# Altium PCB relay_matrix.PcbDoc (part 1 of 9) (continued)
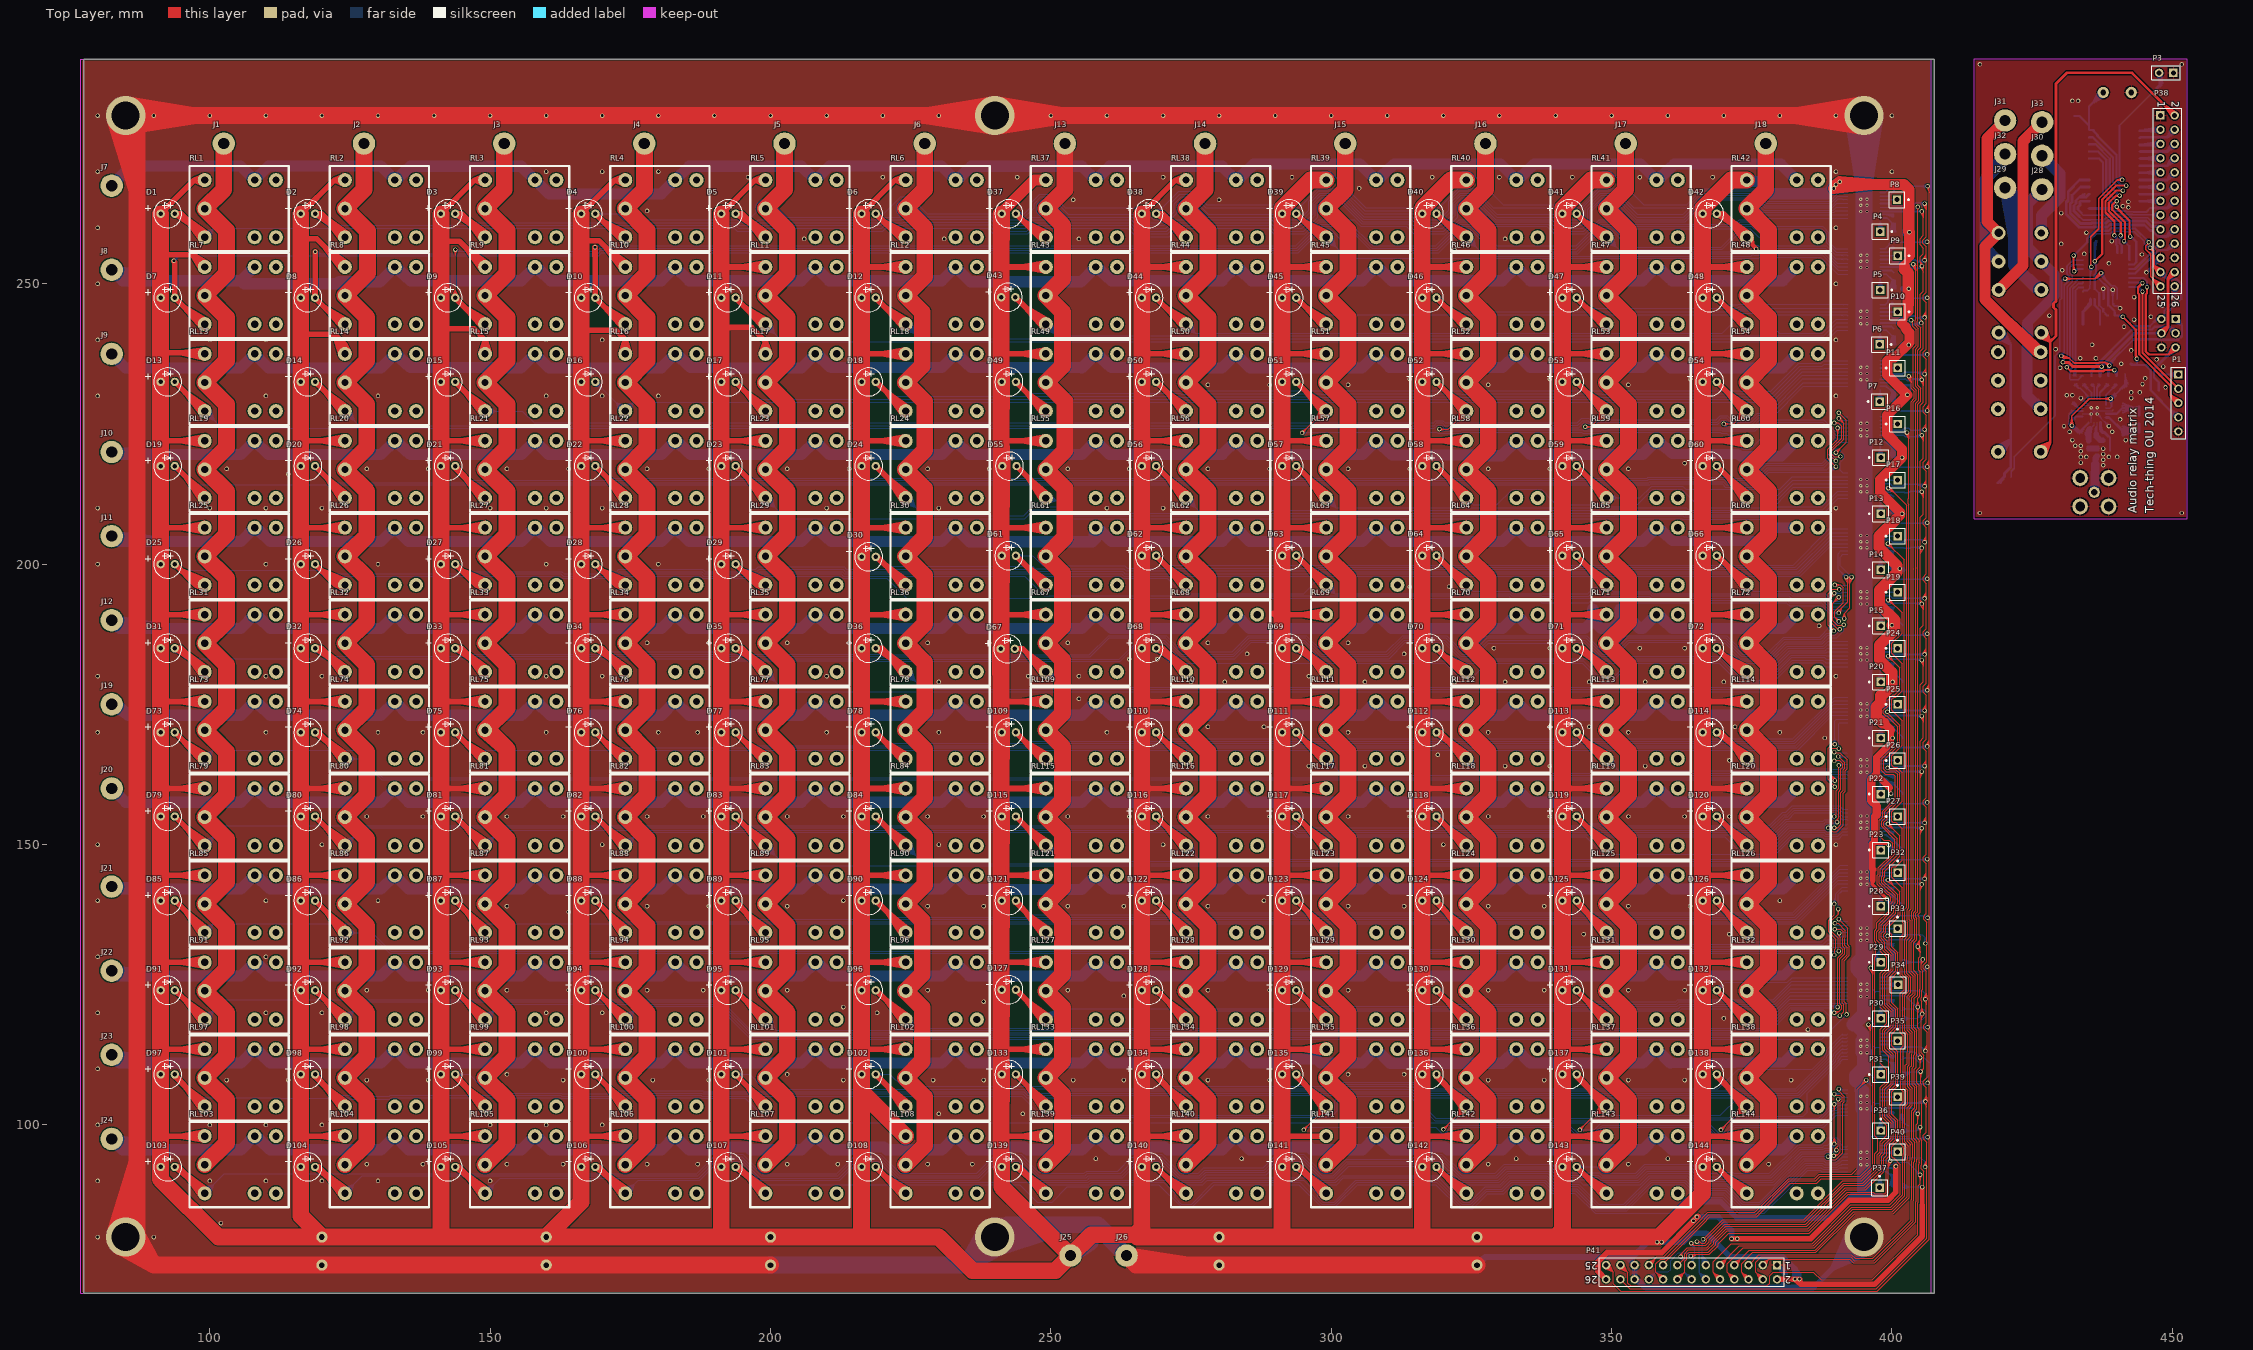
[diagram p0: Top Layer view]
## Components (designator, comment, footprint, x,y, rotation, side; value= is the part's Value field where it differs from the comment) (continued)
D112 "LED0" LED_ROUND_5MM 317.5,170 r0 top locked
D113 "LED0" LED_ROUND_5MM 342.5,170 r0 top locked
D114 "LED0" LED_ROUND_5MM 367.5,170 r0 top locked
D115 "LED0" LED_ROUND_5MM 242.5,155 r0 top locked
D116 "LED0" LED_ROUND_5MM 267.5,155 r0 top locked
D117 "LED0" LED_ROUND_5MM 292.5,155 r0 top locked
D118 "LED0" LED_ROUND_5MM 317.5,155 r0 top locked
D119 "LED0" LED_ROUND_5MM 342.5,155 r0 top locked
D120 "LED0" LED_ROUND_5MM 367.5,155 r0 top locked
D121 "LED0" LED_ROUND_5MM 242.5,140 r0 top locked
D122 "LED0" LED_ROUND_5MM 267.5,140 r0 top locked
D123 "LED0" LED_ROUND_5MM 292.5,140 r0 top locked
D124 "LED0" LED_ROUND_5MM 317.5,140 r0 top locked
D125 "LED0" LED_ROUND_5MM 342.5,140 r0 top locked
D126 "LED0" LED_ROUND_5MM 367.5,140 r0 top locked
D127 "LED0" LED_ROUND_5MM 242.5,124.1 r0 top locked
D128 "LED0" LED_ROUND_5MM 267.5,124 r0 top locked
D129 "LED0" LED_ROUND_5MM 292.5,124 r0 top locked
D130 "LED0" LED_ROUND_5MM 317.5,124 r0 top locked
D131 "LED0" LED_ROUND_5MM 342.5,124 r0 top locked
D132 "LED0" LED_ROUND_5MM 367.5,124 r0 top locked
D133 "LED0" LED_ROUND_5MM 242.5,109 r0 top locked
D134 "LED0" LED_ROUND_5MM 267.5,109 r0 top locked
D135 "LED0" LED_ROUND_5MM 292.5,109 r0 top locked
D136 "LED0" LED_ROUND_5MM 317.5,109 r0 top locked
D137 "LED0" LED_ROUND_5MM 342.5,109 r0 top locked
D138 "LED0" LED_ROUND_5MM 367.5,109 r0 top locked
D139 "LED0" LED_ROUND_5MM 242.5,92.5 r0 top locked
D140 "LED0" LED_ROUND_5MM 267.5,92.5 r0 top locked
D141 "LED0" LED_ROUND_5MM 292.5,92.5 r0 top locked
D142 "LED0" LED_ROUND_5MM 317.5,92.5 r0 top locked
D143 "LED0" LED_ROUND_5MM 342.5,92.5 r0 top locked
D144 "LED0" LED_ROUND_5MM 367.5,92.5 r0 top locked
J1 "Audio" CONN_1_2X4 102.5,275 r0 top
J2 "Audio" CONN_1_2X4 127.5,275 r0 top
J3 "Audio" CONN_1_2X4 152.5,275 r0 top
J4 "Audio" CONN_1_2X4 177.5,275 r0 top
J5 "Audio" CONN_1_2X4 202.5,275 r0 top
J6 "Audio" CONN_1_2X4 227.5,275 r0 top
J7 "Audio" CONN_1_2X4 82.5,267.5 r0 top
J8 "Audio" CONN_1_2X4 82.5,252.5 r0 top
J9 "Audio" CONN_1_2X4 82.5,237.5 r0 top
J10 "Audio" CONN_1_2X4 82.5,220 r0 top
J11 "Audio" CONN_1_2X4 82.5,205 r0 top
J12 "Audio" CONN_1_2X4 82.5,190 r0 top
J13 "Audio" CONN_1_2X4 252.5,275 r0 top
J14 "Audio" CONN_1_2X4 277.5,275 r0 top
J15 "Audio" CONN_1_2X4 302.5,275 r0 top
J16 "Audio" CONN_1_2X4 327.5,275 r0 top
J17 "Audio" CONN_1_2X4 352.5,275 r0 top
J18 "Audio" CONN_1_2X4 377.5,275 r0 top
J19 "Audio" CONN_1_2X4 82.5,175 r0 top
J20 "Audio" CONN_1_2X4 82.5,160 r0 top
J21 "Audio" CONN_1_2X4 82.5,142.5 r0 top
J22 "Audio" CONN_1_2X4 82.5,127.5 r0 top
J23 "Audio" CONN_1_2X4 82.5,112.5 r0 top
J24 "Audio" CONN_1_2X4 82.5,97.5 r0 top
J25 "Audio" CONN_1_2X4 253.5,76.7 r0 top
J26 "Audio" CONN_1_2X4 263.5,76.7 r0 top
J27 "COAX-F" MCX5.08-H5 436.075,212.824 r0 bottom
J28 "Headphone dst" CONN_1_2X4 426.775,266.824 r0 top
J29 "Vocoder src" CONN_1_2X4 420.175,267.124 r0 top
J30 "Room speaker dst" CONN_1_2X4 426.775,272.824 r0 top
J31 "Voice mic src" CONN_1_2X4 420.175,279.124 r0 top
J32 "Room mic src" CONN_1_2X4 420.175,273.124 r0 top
J33 "Vocoder dst" CONN_1_2X4 426.775,278.824 r0 top
L1 "Inductor" 1608[0603] 435.075,221.324 r90 bottom
L2 "Inductor" 1608[0603] 435.575,223.324 r180 bottom
L3 "Inductor" 1608[0603] 437.575,222.824 r270 bottom
P1 "Uart" HDR1X5 451.075,233.824 r270 top
P2 "Programming" HDR2X3H 450.575,243.724 r270 bottom
P3 "Header 2" HDR1X2 450.175,287.624 r180 top
P4 "Plug" PIN1 397.9,259.3 r270 top
P5 "Plug" PIN1 397.9,248.9 r270 top
P6 "Plug" PIN1 397.8,239.2 r270 top
P7 "Plug" PIN1 397.8,229 r90 top
P8 "Plug" PIN1 400.9,265 r270 top
P9 "Plug" PIN1 401,255 r270 top
P10 "Plug" PIN1 401,245 r270 top
P11 "Plug" PIN1 401,235 r90 top
P12 "Plug" PIN1 398,219 r90 top
P13 "Plug" PIN1 398,209 r90 top
P14 "Plug" PIN1 398,199 r90 top
P15 "Plug" PIN1 398,189 r90 top
P16 "Plug" PIN1 401,225 r90 top
P17 "Plug" PIN1 401,215 r90 top
P18 "Plug" PIN1 401,205 r90 top
P19 "Plug" PIN1 401,195 r90 top
P20 "Plug" PIN1 398,179 r90 top
P21 "Plug" PIN1 398,169 r90 top
P22 "Plug" PIN1 398,159 r90 top
P23 "Plug" PIN1 398,149 r90 top
P24 "Plug" PIN1 401,185 r90 top
P25 "Plug" PIN1 401,175 r90 top
P26 "Plug" PIN1 401,165 r90 top
P27 "Plug" PIN1 401,155 r90 top
P28 "Plug" PIN1 398,139 r90 top
P29 "Plug" PIN1 398,129 r90 top
P30 "Plug" PIN1 398,119 r90 top
P31 "Plug" PIN1 398,109 r90 top
P32 "Plug" PIN1 401,145 r0 top
P33 "Plug" PIN1 401,135 r0 top
P34 "Plug" PIN1 401.1,125 r0 top
P35 "Plug" PIN1 401,115 r0 top
P36 "Plug" PIN1 398,99 r0 top
P37 "Plug" PIN1 397.8,88.8 r0 top
P38 "Control board" HDR2X13 447.875,280.024 r270 top
P39 "Plug" PIN1 401,105 r0 top
P40 "Plug" PIN1 401,95.2 r0 top
P41 "Control board" HDR2X13 379.5,75 r180 top
Q1 "MOSFET-N" SOT23_M 420.075,214.524 r180 bottom
R145 "Res3" C2512 401,259.2 r0 bottom
R146 "Res3" C2512 401,249.1 r0 bottom
R147 "Res3" C2512 401,239.1 r0 bottom
R148 "Res3" C2512 401,229 r0 bottom
R149 "Res3" C2512 401,219 r0 bottom
R150 "Res3" C2512 401,209 r0 bottom
R151 "Res3" C2512 401,199 r0 bottom
R152 "Res3" C2512 401,189 r180 bottom
R153 "Res3" C2512 401,179 r180 bottom
R154 "Res3" C2512 401,169 r180 bottom
R155 "Res3" C2512 401,159 r180 bottom
R156 "Res3" C2512 401,149 r180 bottom
R157 "Res3" C2512 401,139 r180 bottom
R158 "Res3" C2512 401,129 r0 bottom
R159 "Res3" C2512 401,119 r0 bottom
R160 "Res3" C2512 401,109 r0 bottom
R161 "Res3" C2512 401,99 r0 bottom
R162 "Res3" C2512 401,89 r0 bottom
R163 "Res3" J1-0603 431.575,225.824 r180 bottom
R164 "Res3" J1-0603 432.575,232.824 r90 bottom
R165 "Res3" J1-0603 434.075,232.824 r90 bottom
R166 "Res3" J1-0603 435.575,232.824 r90 bottom
R167 "Res3" J1-0603 437.075,232.824 r90 bottom
R168 "Res3" J1-0603 438.575,232.824 r90 bottom
R169 "Res3" J1-0603 440.075,232.824 r90 bottom
R170 "Res3" J1-0603 444.075,225.824 r270 bottom
R171 "Res3" J1-0603 447.575,230.224 r270 bottom
RL1 "Relay" RELAY_FRA3 108,268.5 r0 top locked
RL2 "Relay" RELAY_FRA3 133,268.5 r0 top locked
RL3 "Relay" RELAY_FRA3 158,268.5 r0 top locked
RL4 "Relay" RELAY_FRA3 183,268.5 r0 top locked
RL5 "Relay" RELAY_FRA3 208,268.5 r0 top locked
RL6 "Relay" RELAY_FRA3 233,268.5 r0 top locked
RL7 "Relay" RELAY_FRA3 108,253 r0 top locked
RL8 "Relay" RELAY_FRA3 133,253 r0 top locked
RL9 "Relay" RELAY_FRA3 158,253 r0 top locked
RL10 "Relay" RELAY_FRA3 183,253 r0 top locked
RL11 "Relay" RELAY_FRA3 208,253 r0 top locked
RL12 "Relay" RELAY_FRA3 233,253 r0 top locked
RL13 "Relay" RELAY_FRA3 108,237.5 r0 top locked
RL14 "Relay" RELAY_FRA3 133,237.5 r0 top locked
RL15 "Relay" RELAY_FRA3 158,237.5 r0 top locked
RL16 "Relay" RELAY_FRA3 183,237.5 r0 top locked
RL17 "Relay" RELAY_FRA3 208,237.5 r0 top locked
RL18 "Relay" RELAY_FRA3 233,237.5 r0 top locked
RL19 "Relay" RELAY_FRA3 108,222 r0 top locked
RL20 "Relay" RELAY_FRA3 133,222 r0 top locked
RL21 "Relay" RELAY_FRA3 158,222 r0 top locked
RL22 "Relay" RELAY_FRA3 183,222 r0 top locked
RL23 "Relay" RELAY_FRA3 208,222 r0 top locked
RL24 "Relay" RELAY_FRA3 233,222 r0 top locked
RL25 "Relay" RELAY_FRA3 108,206.5 r0 top locked
RL26 "Relay" RELAY_FRA3 133,206.5 r0 top locked
RL27 "Relay" RELAY_FRA3 158,206.5 r0 top locked
RL28 "Relay" RELAY_FRA3 183,206.5 r0 top locked
RL29 "Relay" RELAY_FRA3 208,206.5 r0 top locked
RL30 "Relay" RELAY_FRA3 233,206.5 r0 top locked
RL31 "Relay" RELAY_FRA3 108,191 r0 top locked
RL32 "Relay" RELAY_FRA3 133,191 r0 top locked
RL33 "Relay" RELAY_FRA3 158,191 r0 top locked
RL34 "Relay" RELAY_FRA3 183,191 r0 top locked
RL35 "Relay" RELAY_FRA3 208,191 r0 top locked
RL36 "Relay" RELAY_FRA3 233,191 r0 top locked
RL37 "Relay" RELAY_FRA3 258,268.5 r0 top locked
RL38 "Relay" RELAY_FRA3 283,268.5 r0 top locked
RL39 "Relay" RELAY_FRA3 308,268.5 r0 top locked
RL40 "Relay" RELAY_FRA3 333,268.5 r0 top locked
RL41 "Relay" RELAY_FRA3 358,268.5 r0 top locked
RL42 "Relay" RELAY_FRA3 383,268.5 r0 top locked
RL43 "Relay" RELAY_FRA3 258,253 r0 top locked
RL44 "Relay" RELAY_FRA3 283,253 r0 top locked
RL45 "Relay" RELAY_FRA3 308,253 r0 top locked
RL46 "Relay" RELAY_FRA3 333,253 r0 top locked
RL47 "Relay" RELAY_FRA3 358,253 r0 top locked
RL48 "Relay" RELAY_FRA3 383,253 r0 top locked
RL49 "Relay" RELAY_FRA3 258,237.5 r0 top locked
RL50 "Relay" RELAY_FRA3 283,237.5 r0 top locked
RL51 "Relay" RELAY_FRA3 308,237.5 r0 top locked
RL52 "Relay" RELAY_FRA3 333,237.5 r0 top locked
RL53 "Relay" RELAY_FRA3 358,237.5 r0 top locked
RL54 "Relay" RELAY_FRA3 383,237.5 r0 top locked
RL55 "Relay" RELAY_FRA3 258,222 r0 top locked
RL56 "Relay" RELAY_FRA3 283,222 r0 top locked
RL57 "Relay" RELAY_FRA3 308,222 r0 top locked
RL58 "Relay" RELAY_FRA3 333,222 r0 top locked
RL59 "Relay" RELAY_FRA3 358,222 r0 top locked
RL60 "Relay" RELAY_FRA3 383,222 r0 top locked
RL61 "Relay" RELAY_FRA3 258,206.5 r0 top locked
RL62 "Relay" RELAY_FRA3 283,206.5 r0 top locked
RL63 "Relay" RELAY_FRA3 308,206.5 r0 top locked
RL64 "Relay" RELAY_FRA3 333,206.5 r0 top locked
RL65 "Relay" RELAY_FRA3 358,206.5 r0 top locked
RL66 "Relay" RELAY_FRA3 383,206.5 r0 top locked
RL67 "Relay" RELAY_FRA3 258,191 r0 top locked
RL68 "Relay" RELAY_FRA3 283,191 r0 top locked
RL69 "Relay" RELAY_FRA3 308,191 r0 top locked
RL70 "Relay" RELAY_FRA3 333,191 r0 top locked
RL71 "Relay" RELAY_FRA3 358,191 r0 top locked
RL72 "Relay" RELAY_FRA3 383,191 r0 top locked
RL73 "Relay" RELAY_FRA3 108,175.5 r0 top locked
RL74 "Relay" RELAY_FRA3 133,175.5 r0 top locked
RL75 "Relay" RELAY_FRA3 158,175.5 r0 top locked
RL76 "Relay" RELAY_FRA3 183,175.5 r0 top locked
RL77 "Relay" RELAY_FRA3 208,175.5 r0 top locked
RL78 "Relay" RELAY_FRA3 233,175.5 r0 top locked
RL79 "Relay" RELAY_FRA3 108,160 r0 top locked
RL80 "Relay" RELAY_FRA3 133,160 r0 top locked
RL81 "Relay" RELAY_FRA3 158,160 r0 top locked
RL82 "Relay" RELAY_FRA3 183,160 r0 top locked
RL83 "Relay" RELAY_FRA3 208,160 r0 top locked
RL84 "Relay" RELAY_FRA3 233,160 r0 top locked
RL85 "Relay" RELAY_FRA3 108,144.5 r0 top locked
RL86 "Relay" RELAY_FRA3 133,144.5 r0 top locked
RL87 "Relay" RELAY_FRA3 158,144.5 r0 top locked
RL88 "Relay" RELAY_FRA3 183,144.5 r0 top locked
RL89 "Relay" RELAY_FRA3 208,144.5 r0 top locked
RL90 "Relay" RELAY_FRA3 233,144.5 r0 top locked
RL91 "Relay" RELAY_FRA3 108,129 r0 top locked
RL92 "Relay" RELAY_FRA3 133,129 r0 top locked
RL93 "Relay" RELAY_FRA3 158,129 r0 top locked
RL94 "Relay" RELAY_FRA3 183,129 r0 top locked
RL95 "Relay" RELAY_FRA3 208,129 r0 top locked
RL96 "Relay" RELAY_FRA3 233,129 r0 top locked
RL97 "Relay" RELAY_FRA3 108,113.5 r0 top locked
RL98 "Relay" RELAY_FRA3 133,113.5 r0 top locked
RL99 "Relay" RELAY_FRA3 158,113.5 r0 top locked
RL100 "Relay" RELAY_FRA3 183,113.5 r0 top locked
RL101 "Relay" RELAY_FRA3 208,113.5 r0 top locked
RL102 "Relay" RELAY_FRA3 233,113.5 r0 top locked
RL103 "Relay" RELAY_FRA3 108,98 r0 top locked
RL104 "Relay" RELAY_FRA3 133,98 r0 top locked
RL105 "Relay" RELAY_FRA3 158,98 r0 top locked
RL106 "Relay" RELAY_FRA3 183,98 r0 top locked
RL107 "Relay" RELAY_FRA3 208,98 r0 top locked
RL108 "Relay" RELAY_FRA3 233,98 r0 top locked
RL109 "Relay" RELAY_FRA3 258,175.5 r0 top locked
RL110 "Relay" RELAY_FRA3 283,175.5 r0 top locked
RL111 "Relay" RELAY_FRA3 308,175.5 r0 top locked
RL112 "Relay" RELAY_FRA3 333,175.5 r0 top locked
RL113 "Relay" RELAY_FRA3 358,175.5 r0 top locked
RL114 "Relay" RELAY_FRA3 383,175.5 r0 top locked
RL115 "Relay" RELAY_FRA3 258,160 r0 top locked
RL116 "Relay" RELAY_FRA3 283,160 r0 top locked
RL117 "Relay" RELAY_FRA3 308,160 r0 top locked
RL118 "Relay" RELAY_FRA3 333,160 r0 top locked
RL119 "Relay" RELAY_FRA3 358,160 r0 top locked
RL120 "Relay" RELAY_FRA3 383,160 r0 top locked
RL121 "Relay" RELAY_FRA3 258,144.5 r0 top locked
RL122 "Relay" RELAY_FRA3 283,144.5 r0 top locked
RL123 "Relay" RELAY_FRA3 308,144.5 r0 top locked
RL124 "Relay" RELAY_FRA3 333,144.5 r0 top locked
RL125 "Relay" RELAY_FRA3 358,144.5 r0 top locked
RL126 "Relay" RELAY_FRA3 383,144.5 r0 top locked
RL127 "Relay" RELAY_FRA3 258,129 r0 top locked
RL128 "Relay" RELAY_FRA3 283,129 r0 top locked
RL129 "Relay" RELAY_FRA3 308,129 r0 top locked
RL130 "Relay" RELAY_FRA3 333,129 r0 top locked
RL131 "Relay" RELAY_FRA3 358,129 r0 top locked
RL132 "Relay" RELAY_FRA3 383,129 r0 top locked
RL133 "Relay" RELAY_FRA3 258,113.5 r0 top locked
RL134 "Relay" RELAY_FRA3 283,113.5 r0 top locked
RL135 "Relay" RELAY_FRA3 308,113.5 r0 top locked
RL136 "Relay" RELAY_FRA3 333,113.5 r0 top locked
RL137 "Relay" RELAY_FRA3 358,113.5 r0 top locked
RL138 "Relay" RELAY_FRA3 383,113.5 r0 top locked
RL139 "Relay" RELAY_FRA3 258,98 r0 top locked
RL140 "Relay" RELAY_FRA3 283,98 r0 top locked
RL141 "Relay" RELAY_FRA3 308,98 r0 top locked
RL142 "Relay" RELAY_FRA3 333,98 r0 top locked
RL143 "Relay" RELAY_FRA3 358,98 r0 top locked
RL144 "Relay" RELAY_FRA3 383,98 r0 top locked
RL145 "Relay" RELAY_S13 427.888,240.073 r90 bottom
RL146 "Relay" RELAY_S13 427.775,218.824 r90 bottom
U1 "TPL9202" HSSOP20 395,264 r0 bottom
U2 "TPL9202" HSSOP20 395,254 r0 bottom
U3 "TPL9202" HSSOP20 395,244 r0 bottom
U4 "TPL9202" HSSOP20 395,234 r0 bottom
U5 "TPL9202" HSSOP20 395,224 r0 bottom
U6 "TPL9202" HSSOP20 395,214 r0 bottom
U7 "TPL9202" HSSOP20 395,204 r0 bottom
U8 "TPL9202" HSSOP20 395,194 r0 bottom
U9 "TPL9202" HSSOP20 395,184 r0 bottom
U10 "Atmega168" TQFP-32 438.175,251.424 r90 bottom
U11 "nRF24L01" QFN20 436.075,227.324 r270 bottom
U12 "TPL9202" HSSOP20 395,174 r0 bottom
U13 "3.3V" SOT23 442.575,234.824 r90 bottom
U14 "TPL9202" HSSOP20 395,164 r0 bottom
U15 "TPL9202" HSSOP20 395,154 r0 bottom
U16 "TPL9202" HSSOP20 395,144 r0 bottom
U17 "TPL9202" HSSOP20 395,134 r0 bottom
U18 "TPL9202" HSSOP20 395,124 r0 bottom
U19 "TPL9202" HSSOP20 395,114 r0 bottom
U20 "TPL9202" HSSOP20 395,104 r0 bottom
U21 "TPL9202" HSSOP20 395,94 r0 bottom locked
U22 "CD54HC154" SO24 439.675,270.424 r180 bottom
X1 "Resonator" SMD-RESONATOR 435.575,242.724 r180 bottom
X2 "Crystal" CRYSTAL_7A_SERIES 441.075,225.824 r270 bottom

## Footprints (in the part's own frame and the unit in brackets; to place one, negate y for a bottom-side part, rotate by r counter-clockwise, add the part's x,y. Pads: shape width x height; smd on the part's side, far side on the other; paste and mask are expansions set on the pad)
1608[0603] [mm] "Chip Capacitor, Body 1.6x0.8mm, IPC High Density"
  rect 0.8x0.9 smd: 1(-0.7,0) 2(0.7,0)
  body extent -0.87,-0.48 0.87,0.48, height 1.3
C2512 [mm] "Chip Capacitor, Body 2.54x1.27mm, IPC High Density"
  rect 1.4x1.4 smd: 1(-0.9,0) 2(0.9,0)
  silkscreen extent -1.9,-0.6 -1.9,0.6, body extent -1.45,-0.82 1.45,0.82, height 1.3
CAP_10X16MM [mm]
  round 2 hole 1: 1(0,0) 2(5,0)
  silkscreen extent -2.5,-5 9,5, body extent -2.46,-4.99 7.5,4.99, height 16
CONN_1_2X4 [mm]
  round 4 hole 2: 1(0,0)
CRYSTAL_7A_SERIES [mm] "Molded Capacitor, 2-Leads, Body 5,00x3,20mm, IPC Medium Density"
  rect 2.15x2.05 smd: 1(-2.025,0) 2(2.025,0)
  silkscreen extent -2.6,-1.7 2.6,1.7, body extent -2.57,-1.68 2.58,1.68, height 1.35
HDR1X2 [mm] "Connector; Header; 2 Position"
  rect 1.5x1.5 hole 0.9: 1(0,0)
  round 1.5 hole 0.9: 2(2.54,0)
  silkscreen extent -1.27,-1.27 3.81,1.27
HDR1X5 [mm] "Connector; Header; 5 Position"
  rect 1.5x1.5 hole 0.9: 1(0,0)
  round 1.5 hole 0.9: 2(2.54,0) 3(5.08,0) 4(7.62,0) 5(10.16,0)
  silkscreen extent -1.27,-1.27 11.43,1.27
HDR2X3H [mm] "Connector; Header; 3x2 Position; Right Angle"
  rect 1.5x1.5 hole 0.9: 1(0,0)
  round 1.5 hole 0.9: 2(0,2.54) 3(2.54,0) 4(2.54,2.54) 5(5.08,0) 6(5.08,2.54)
  silkscreen extent -1.27,-6.35 6.35,-1.27
HDR2X13 [mm] "Connector; Header; 13x2 Position"
  rect 1.5x1.5 hole 0.9: 1(0,0)
  round 1.5 hole 0.9: 2(0,2.54) 3(2.54,0) 4(2.54,2.54) 5(5.08,0) 6(5.08,2.54) 7(7.62,0) 8(7.62,2.54) 9(10.16,0) 10(10.16,2.54) 11(12.7,0) 12(12.7,2.54) 13(15.24,0) 14(15.24,2.54) 15(17.78,0) 16(17.78,2.54) 17(20.32,0) 18(20.32,2.54) 19(22.86,0) 20(22.86,2.54) 21(25.4,0) 22(25.4,2.54) 23(27.94,0) 24(27.94,2.54) 25(30.48,0) 26(30.48,2.54)
  silkscreen extent -1.27,-1.27 31.75,3.81
HSSOP20 [mm] "TSOP, 20-Leads, Body 6,50x4,40mm, Pitch 0,65mm, Thermal Pad 3,70.2x2,40.2mm, IPC Low Density"
  oval 2x0.35 smd: 1(-2.9,2.925) 2(-2.9,2.275) 3(-2.9,1.625) 4(-2.9,0.975) 5(-2.9,0.325) 6(-2.9,-0.325) 7(-2.9,-0.975) 8(-2.9,-1.625) 9(-2.9,-2.275) 10(-2.9,-2.925) 11(2.9,-2.925) 12(2.9,-2.275) 13(2.9,-1.625) 14(2.9,-0.975) 15(2.9,-0.325) 16(2.9,0.325) 17(2.9,0.975) 18(2.9,1.625) 19(2.9,2.275) 20(2.9,2.925)
  rect 2.4x3.7 smd: 21(0,0)
  silkscreen extent -3.02,-3.3 1.5,3.77, body extent -2.25,-3.3 2.25,3.3, height 1.2
J1-0603 [mm] "Chip Resistor, Body 1.6x0.8mm, IPC High Density"
  rect 0.7x0.9 smd: 1(-0.75,0) 2(0.75,0)
  silkscreen extent -0.2,-0.35 0.2,0.35, body extent -0.85,-0.48 0.85,0.48, height 0.9
LED_ROUND_5MM [mm]
  round 1.5 hole 0.8: 1(-1.27,0) 2(1.27,0)
  silkscreen extent -4,-2.5 2.5,2.5, body extent -2.48,-2.49 2.5,2.5, height 8.6
MCX5.08-H5 [mm] "Connector; RF Coaxial, MCX, Thru-Hole; 5 Position; Right-Angle"
  round 2 hole 1.2: 1(0,0)
  round 2.8 hole 1.7: 2(-2.54,-2.54) 3(2.54,-2.54) 4(2.54,2.54) 5(-2.54,2.54)
  silkscreen extent -6.5,-3 3,3
PIN1 [mm] "Connector; Plug"
  rect 1.5x1.5 hole 0.9: 1(0,0)
  silkscreen extent -1.4,-1.4 1.4,2.18
QFN20 [mm] "QFN, 20-Leads, Body 4,00x4,00mm, Pitch 0,50mm, Thermal Pad 2,60x2,60mm, IPC Low Density"
  oval 0.75x0.2 smd: 1(-2.075,1) 2(-2.075,0.5) 3(-2.075,0) 4(-2.075,-0.5) 5(-2.075,-1) 11(2.075,-1) 12(2.075,-0.5) 13(2.075,0) 14(2.075,0.5) 15(2.075,1)
  oval 0.2x0.75 smd: 6(-1,-2.075) 7(-0.5,-2.075) 8(0,-2.075) 9(0.5,-2.075) 10(1,-2.075) 16(1,2.075) 17(0.5,2.075) 18(0,2.075) 19(-0.5,2.075) 20(-1,2.075)
  rect 2.6x2.6 smd: 21(0,0)
  silkscreen extent -2.92,-2.15 2.15,2.15, body extent -2,-2 2,2, height 0.95
RELAY_FRA3 [mm] "Miniature power relay"
  round 2.5 hole 1.3: 1(-8.9,0) 2(-8.9,-5.1) 3(-8.9,-10.2) 4(0,-10.2) 5(3.8,-10.2) 6(3.8,0) 7(0,0)
  silkscreen extent -11.6,-12.7 6.1,2.5, body extent -11.6,-12.7 6.1,2.5, height 20
RELAY_S13 [mm] "Miniature power relay"
  round 2.5 hole 1.3: 1(1.22,-1.25) 2(1.22,-8.87) 3(8.84,-1.25) 4(8.84,-8.87) 5(13.92,-1.25) 6(13.92,-8.87) 7(19,-1.25)
  round 2.5 hole 1.5: 8(19,-8.87)
  silkscreen extent 0,-10 20,0, body extent -0.1,-10 20,0.1, height 20
SMD-RESONATOR [mm]
  rect 0.7x4.1 smd: 1(-1.5,-0.025) 3(1.5,0)
  rect 1x4.1 smd: 2(0,0)
  silkscreen extent -1.85,-1.55 1.85,1.55
SO24 [mm] "SOIC, 24-Leads, Body 15,40x7,50mm, Pitch 1,27mm, IPC Medium Density"
  oval 2.3x0.6 smd: 1(-4.55,6.985) 2(-4.55,5.715) 3(-4.55,4.445) 4(-4.55,3.175) 5(-4.55,1.905) 6(-4.55,0.635) 7(-4.55,-0.635) 8(-4.55,-1.905) 9(-4.55,-3.175) 10(-4.55,-4.445) 11(-4.55,-5.715) 12(-4.55,-6.985) 13(4.55,-6.985) 14(4.55,-5.715) 15(4.55,-4.445) 16(4.55,-3.175) 17(4.55,-1.905) 18(4.55,-0.635) 19(4.55,0.635) 20(4.55,1.905) 21(4.55,3.175) 22(4.55,4.445) 23(4.55,5.715) 24(4.55,6.985)
  silkscreen extent -4.68,-7.8 3,7.96, body extent -3.8,-7.8 3.8,7.8, height 2.65
SOT23 [mm] "SOT23, 3-Leads, Body 2,90x2,35mm, Pitch 0,95mm, IPC Medium Density"
  rect 1.6x0.6 smd: 1(-0.9,0.95) 2(-0.9,-0.95) 3(0.9,0)
  silkscreen extent -1.02,-1.5 0.7,1.93, body extent -0.7,-1.5 0.7,1.5, height 1.1
SOT23_M [mm] "SOT23, 3-Leads, Body 2.9x1.3mm, Pitch 0.95mm, Lead Span 2.3mm - Reverse Pinning, IPC Low Density"
  rect 1.45x0.6 smd: 1(1.175,0) 2(-1.175,-0.95) 3(-1.175,0.95)
  silkscreen extent -0.1,-1.5 1.47,1.5, body extent -0.7,-1.5 0.7,1.5, height 1.1
TQFP-32 [mm] "TQFP, 32-Leads, Body 7,00x7,00mm, Pitch 0,80mm, IPC Medium Density"
  oval 1.75x0.55 smd mask+0.05: 1(-4.125,2.8) 2(-4.125,2) 3(-4.125,1.2) 4(-4.125,0.4) 5(-4.125,-0.4) 6(-4.125,-1.2) 7(-4.125,-2) 8(-4.125,-2.8) 17(4.125,-2.8) 18(4.125,-2) 19(4.125,-1.2) 20(4.125,-0.4) 21(4.125,0.4) 22(4.125,1.2) 23(4.125,2) 24(4.125,2.8)
  oval 0.55x1.75 smd mask+0.05: 9(-2.8,-4.125) 10(-2,-4.125) 11(-1.2,-4.125) 12(-0.4,-4.125) 13(0.4,-4.125) 14(1.2,-4.125) 15(2,-4.125) 16(2.8,-4.125) 25(2.8,4.125) 26(2,4.125) 27(1.2,4.125) 28(0.4,4.125) 29(-0.4,4.125) 30(-1.2,4.125) 31(-2,4.125) 32(-2.8,4.125)
  silkscreen extent -4.25,-2.85 2.85,3.75, body extent -3.5,-3.5 3.5,3.5, height 1.2

## Part data
C1 C2 C3 C4 C5 C6 C7 C8 C9 C11 C16 C17 C18 C19 C20 C21 C22 C23 C24 C25 C26 C27 C29 C30 C31 C32 C33 C34 C35 C36 C37 C38 C39 C40 C41 C42 C43 C44 C45 C46 C47 C48 C49 C50 C51 C52 C53 C54 C55 C56 C57 C58 C59 C60 C61 C62 C63 C64 C65 C66 C67 C68 C69 C70 C71 C72 C73 C74 C75 C76 C77 C78 C79: "Capacitor (Semiconductor SIM Model)"
C10 C12 C13 C14 C15 C28: "Capacitor"
D1 D2 D3 D4 D5 D6 D7 D8 D9 D10 D11 D12 D13 D14 D15 D16 D17 D18 D19 D20 D21 D22 D23 D24 D25 D26 D27 D28 D29 D30 D31 D32 D33 D34 D35 D36 D37 D38 D39 D40 D41 D42 D43 D44 D45 D46 D47 D48 D49 D50 D51 D52 D53 D54 D55 D56 D57 D58 D59 D60 D61 D62 D63 D64 D65 D66 D67 D68 D69 D70 D71 D72 D73 D74 D75 D76 D77 D78 D79 D80 D81 D82 D83 D84 D85 D86 D87 D88 D89 D90 D91 D92 D93 D94 D95 D96 D97 D98 D99 D100 D101 D102 D103 D104 D105 D106 D107 D108 D109 D110 D111 D112 D113 D114 D115 D116 D117 D118 D119 D120 D121 D122 D123 D124 D125 D126 D127 D128 D129 D130 D131 D132 D133 D134 D135 D136 D137 D138 D139 D140 D141 D142 D143 D144: "Typical INFRARED GaAs LED"
J1 J2 J3 J4 J5 J6 J7 J8 J9 J10 J11 J12 J13 J14 J15 J16 J17 J18 J19 J20 J21 J22 J23 J24 J25 J26 J28 J29 J30 J31 J32 J33: library part Socket, "Socket"
J27: "RF Coaxial PCB Connector, MCX; Thru-Hole, Right-Angle Mount Socket, Blunt Post Terminal, 50 Ohm Impedance"
P1: library part "Header 5", "Header, 5-Pin"
P2: library part "Header 3X2H", "Header, 3-Pin, Dual row, Right Angle"
P3: "Header, 2-Pin"
P38 P41: library part "Header 13X2", "Header, 13-Pin, Dual row"
Q1: "N-Channel MOSFET"
R145 R146 R147 R148 R149 R150 R151 R152 R153 R154 R155 R156 R157 R158 R159 R160 R161 R162 R163 R164 R165 R166 R167 R168 R169 R170 R171: "Resistor"
RL1 RL2 RL3 RL4 RL5 RL6 RL7 RL8 RL9 RL10 RL11 RL12 RL13 RL14 RL15 RL16 RL17 RL18 RL19 RL20 RL21 RL22 RL23 RL24 RL25 RL26 RL27 RL28 RL29 RL30 RL31 RL32 RL33 RL34 RL35 RL36 RL37 RL38 RL39 RL40 RL41 RL42 RL43 RL44 RL45 RL46 RL47 RL48 RL49 RL50 RL51 RL52 RL53 RL54 RL55 RL56 RL57 RL58 RL59 RL60 RL61 RL62 RL63 RL64 RL65 RL66 RL67 RL68 RL69 RL70 RL71 RL72 RL73 RL74 RL75 RL76 RL77 RL78 RL79 RL80 RL81 RL82 RL83 RL84 RL85 RL86 RL87 RL88 RL89 RL90 RL91 RL92 RL93 RL94 RL95 RL96 RL97 RL98 RL99 RL100 RL101 RL102 RL103 RL104 RL105 RL106 RL107 RL108 RL109 RL110 RL111 RL112 RL113 RL114 RL115 RL116 RL117 RL118 RL119 RL120 RL121 RL122 RL123 RL124 RL125 RL126 RL127 RL128 RL129 RL130 RL131 RL132 RL133 RL134 RL135 RL136 RL137 RL138 RL139 RL140 RL141 RL142 RL143 RL144: library part Relay_FRA3, "Miniature power relay"
RL145 RL146: library part Relay_S13, "Miniature power relay"
U1 U2 U3 U4 U5 U6 U7 U8 U9 U12 U14 U15 U16 U17 U18 U19 U20 U21: "8-CHANNEL RELAY DRIVER  WITH INTEGRATED 5-V LDO AND BROWN-OUT DETECTION"
U11: "Single Chip 2.4GHz Transciever"
U13: library part Voltage_regulator_3pin, "Fixed voltage regulator"
U22: "High speed logic 4 to 16 decoder"

## Via types
v1: diameter 0.8, hole 0.5, Top Layer to Bottom Layer, 477 vias
v2: diameter 0.8, hole 0.5, Top Layer to Bottom Layer, tented both sides, 122 vias
v3: diameter 0.6, hole 0.3, Top Layer to Bottom Layer, 112 vias
v4: diameter 7, hole 5, Top Layer to Bottom Layer, 6 vias

## Nets (pads, with @x,y where several pads share a name; then routed paths per layer and width w, separated by ;. In a path a pad name is that pad's centre, name@x,y a point inside that pad or via, vN(x,y) a via of type N, cw(c..) or ccw(c..) an arc to the next point about the centre after c; other vN are vias at no path point)
3V3: C19.2 C21.1 C25.1 C33.1 U11.7 U11.15 U11.18 U13.2 | length 103.9
  Top Layer w0.3: v1@431.827,224.747 432.076,226.023 v1@432.325,224.747 ; v1(432.076,224.723) 432.076,226.425 435.175,229.524 v1(438.975,229.524) ; v1@438.951,229.275 437.675,229.524 v1@438.951,229.773
  Bottom Layer w0.3: v1@431.897,224.548 432.986,223.613 ; v1@431.903,224.542 433.068,223.604 ; v1@431.904,224.542 431.525,225.074 ; v1@431.927,224.522 C21.1@433.21,223.726 ; v1@431.954,224.505 C21.1@433.331,223.877 ; C19.2@432.084,227.435 431.525,226.574 ; v1@432.168,224.956 431.525,225.074 ; v1@432.232,224.918 C21.1@433.331,223.877 ; v1@432.256,224.896 C21.1@433.21,223.726 ; C19.2@432.275,227.274 431.525,226.574 ; v1@432.276,224.873 433.068,223.604 ; v1@432.282,224.864 432.986,223.613 ; C19.2@432.423,227.072 431.525,226.574 ; 432.725,227.324 U11.18@433.725,227.324 ; C21.1@433.373,223.326 432.272,224.327 ; C21.1@433.44,223.692 434.487,224.661 ; C21.1@433.625,223.524 434.487,224.661 ; C21.1@433.642,223.745 432.272,224.327 ; C21.1@433.837,223.391 434.487,224.661 ; U11.18@434,227.324 C19.2@432.275,227.324 431.525,226.574 ; 434.339,224.513 U11.15@435.075,225.249 433.575,223.749 C21.1@433.575,223.524 433.075,223.524 ; U11.7@438.15,227.824 438.875,227.824 ; U11.7@438.425,227.824 438.875,227.824 ; v1@438.733,229.465 439.175,228.178 ; v1@438.796,229.698 C25.1@439.683,230.433 ; v1@438.83,229.727 C25.1@439.875,230.324 ; v1@438.837,229.732 C25.1@439.875,230.274 ; v1@438.884,229.757 C25.1@440.02,230.07 ; v1@439.114,229.316 C25.1@440.02,230.07 ; v1@439.155,229.35 C25.1@439.875,230.274 ; v1@439.16,229.355 C25.1@439.875,230.324 ; v1@439.175,229.524 v1@439.175,229.624 ; v1@439.188,229.393 C25.1@439.683,230.433 ; v1@439.225,229.538 439.175,228.178 ; C33.1@441.526,232.069 U13.2@441.625,233.395 ; C33.1@441.537,232.224 U13.2@441.625,233.424 ; C33.1@441.605,232.157 440.649,231.098 ; C33.1@441.625,232.224 U13.2@441.625,233.424 ; U13.2@441.625,233.924 441.625,232.174 C33.1@441.775,232.024 441.575,232.024 C25.1@439.875,230.324 ; C33.1@441.758,232.224 U13.2@441.625,233.424 ; C33.1@441.775,231.974 440.649,231.098 ; C33.1@441.775,232.074 U13.2@441.625,233.395 ; C33.1@441.911,231.764 440.649,231.098 ; C33.1@441.988,232.227 U13.2@441.625,233.424 ; C33.1@442.02,232.125 U13.2@441.625,233.395 ; 431.525,225.074 v1(432.076,224.723) ; 431.525,225.074 v1@432.025,224.574 ; 431.525,225.074 431.525,226.574 ; v1@432.025,224.574 433.075,223.524 ; v1@432.025,224.574 432.025,224.672 v1(432.076,224.723) ; v1(432.076,224.723) 432.986,223.613 ; v1(432.076,224.723) C21.1@433.21,223.726 ; v1(432.076,224.723) C21.1@433.331,223.877 ; v1(432.076,224.723) 433.068,223.604 ; 432.272,224.327 C21.1@433.525,223.524 ; 433.075,223.524 C21.1@433.525,223.524 ; 433.075,223.524 433.456,223.764 433.075,223.524 ; 433.075,223.524 433.456,223.284 433.075,223.524 ; 433.075,223.524 C21.1@433.525,223.524 ; 438.875,227.824 439.175,228.124 439.175,229.324 v1(438.975,229.524) ; v1(438.975,229.524) 439.175,228.178 ; v1(438.975,229.524) C25.1@439.875,230.274 ; v1(438.975,229.524) C25.1@439.683,230.433 ; v1(438.975,229.524) C25.1@440.02,230.07 ; v1(438.975,229.524) C25.1@439.875,230.324 ; v1@439.175,229.624 C25.1@439.875,230.274 ; v1@439.175,229.624 C25.1@439.683,230.433 ; v1@439.175,229.624 C25.1@440.02,230.07 ; v1@439.175,229.624 C25.1@439.875,230.324
5V_OUT: C77.2 P41.26 U21.18 | length 96.3
  Top Layer w1: 362.079,80.379 v1(364.6,82.9) ; v1(365.2,83.6) v1(364.6,82.9) ; v1@365.4,83.7 v1(364.6,82.9) ; v1(372.4,79.7) v1(371.4,79.7) 385.5,79.7 392.35,86.55 399.25,86.55 400.7,88 v1(400.7,92.6) 400.7,89.2 ; 347.57,73.91 P41.26@349.02,72.46 347.57,73.91 ; 347.57,73.91 347.57,75.601 349.219,77.25 358.95,77.25 v1(364.6,82.9)
  Bottom Layer w0.3: U21.18@396.983,92.375 U21.18@397.9,92.375 397.975,92.3 400,92.3 C77.2@400.3,92 ; U21.18@398.725,92.375 399.801,92.3 ; C77.2@400.3,92.3 C77.2@400.3,92 ; v1@400.471,92.701 C77.2@400.3,92 ; v1(400.7,92.6) C77.2@400.3,92 ; v1@400.881,92.427 C77.2@400.3,92
  Bottom Layer w1: v1(364.6,82.9) v1(365.2,83.6) ; v1(364.6,82.9) v1(365.2,83.6) ; v1(364.6,82.9) v1(365.2,83.6) ; v1(364.6,82.9) v1@364.6,83 ; v1@364.6,83 v1(365.2,83.6) ; v1@364.6,83 v1(365.2,83.6) ; v1@364.6,83 v1(365.2,83.6) ; v1(365.2,83.6) 369,83.6 371.4,81.2 v1(371.4,79.7) ; v1(371.4,79.7) v1(372.4,79.7) v1(371.4,79.7)